# KiCad board DFTBoard.kicad_pcb (continued)
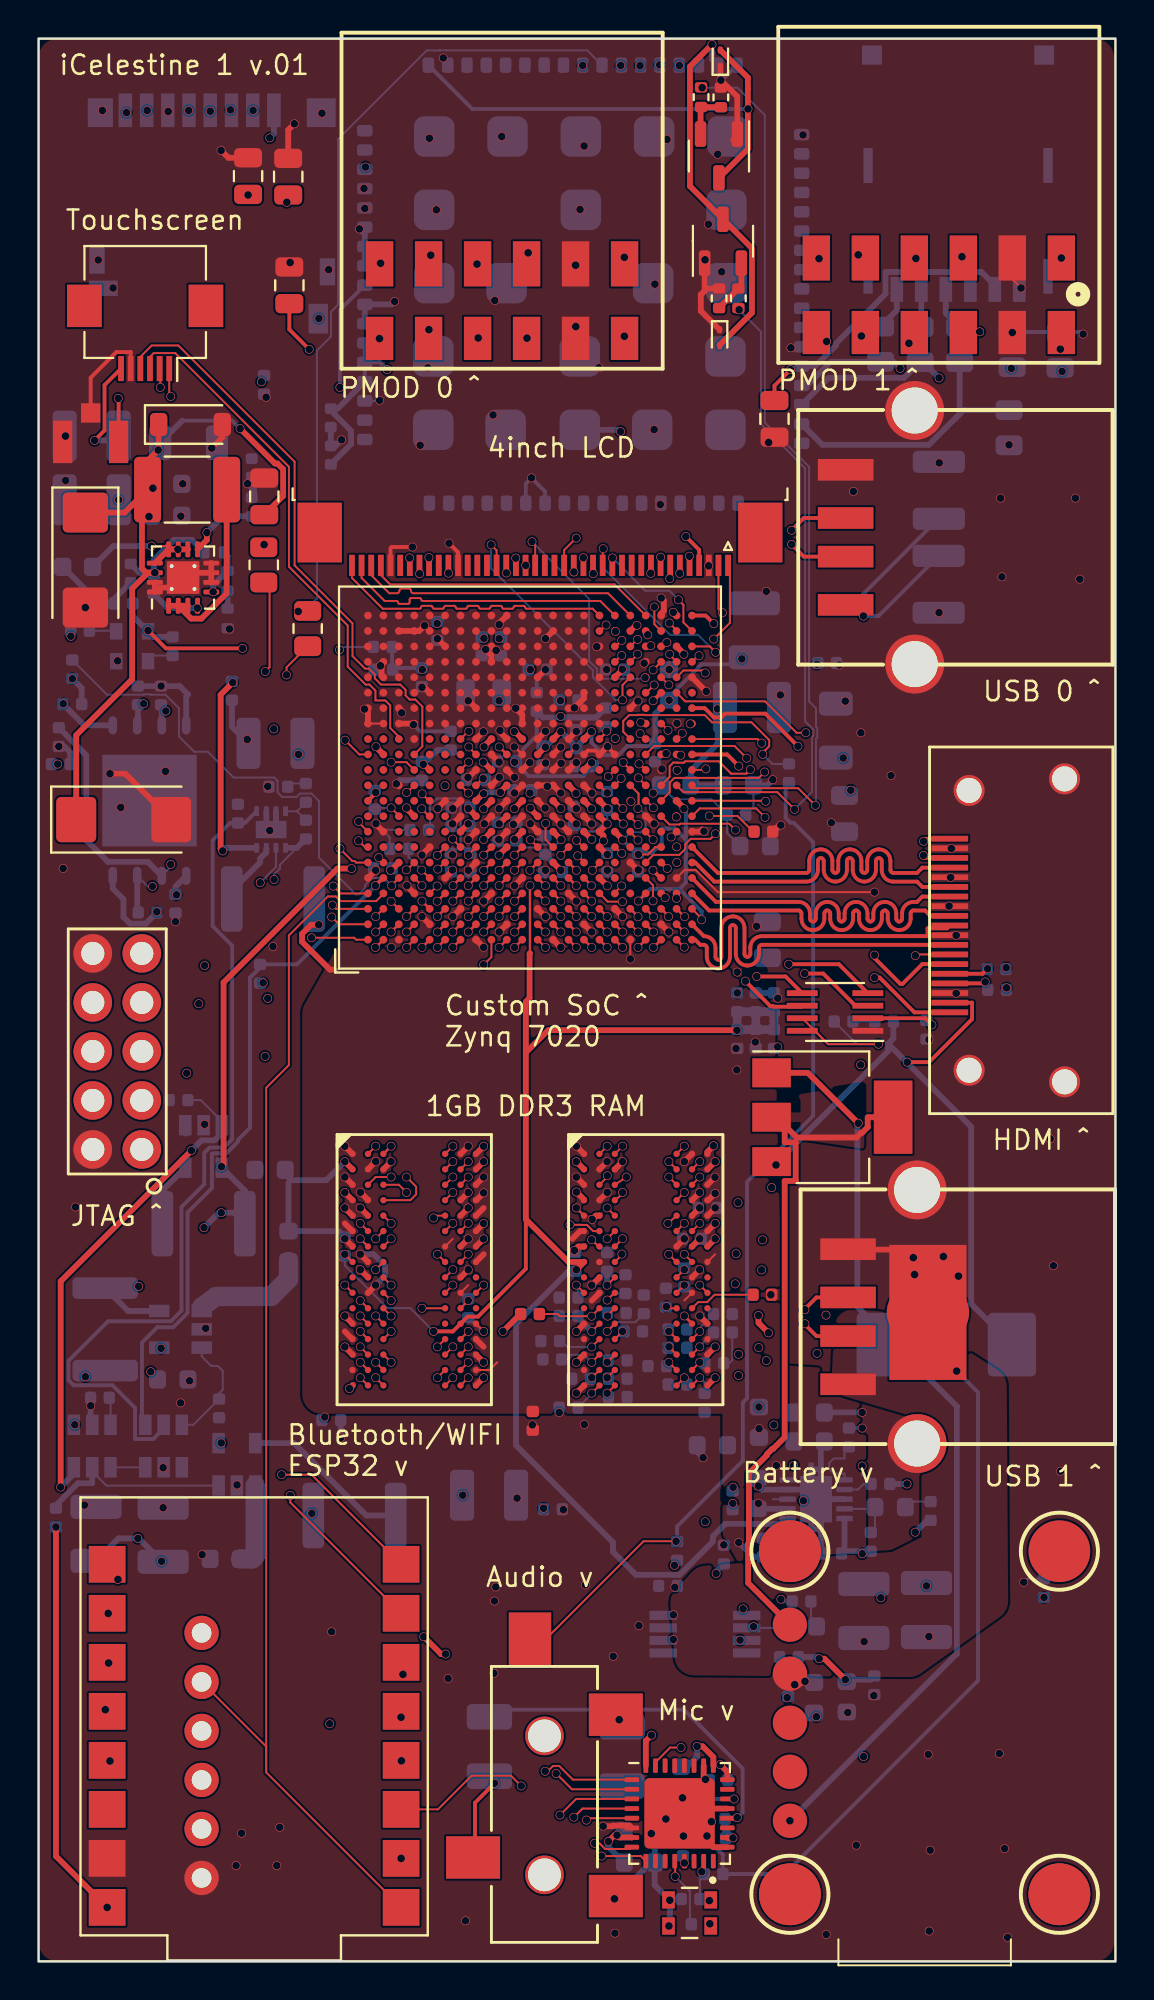
[diagram p0: board, top side]
## Routing (per net, layer and track width the routed paths; a pad name or vN(x,y) marks a point on that pad's centre or on a via; arc(x,y) is an arc through that point) (continued)
PMOD4: length 39.4
  TOP_GND w0.102: 31.47,58.52 v1(31.86,58.13)
  SIGNAL2 w0.102: v1(31.86,58.13) 31.48,58.51 30.19,58.51 29.92,58.79 29.92,59.06 29.64,59.34 29.21,59.34 29.09,59.46 29.09,59.86 28.8,60.15 28.53,60.15 28.3,60.38 28.3,60.65 27.48,61.47 27.48,62.75 27.47,62.77 27.47,63.1 27.48,63.11 27.48,64.7 27.39,64.8 27.39,65.13 27.47,65.21 27.47,65.49 26.87,66.08 26.87,69.01 26.03,69.86 26.03,79.15 26.03,79.19 26.07,79.29 26.14,79.36 26.23,79.39 26.33,79.4 26.42,79.43 26.49,79.5 26.53,79.6 26.53,79.65 26.53,79.75 26.53,79.79 26.49,79.89 26.42,79.96 26.33,79.99 26.28,80 25.33,80 25.28,80 25.19,80.03 25.12,80.08 25.06,80.16 25.03,80.25 25.03,80.3 25.03,80.34 25.06,80.43 25.12,80.51 25.19,80.56 25.28,80.59 25.33,80.6 25.73,80.6 25.78,80.6 25.87,80.63 25.94,80.68 26,80.76 26.03,80.85 26.03,80.9 25.45,81.48 25.41,81.51 25.37,81.6 25.36,81.69 25.37,81.79 25.41,81.87 25.45,81.9 25.73,82.19 25.76,82.22 25.8,82.31 25.82,82.4 25.8,82.49 25.76,82.58 25.73,82.61 25.69,82.64 25.61,82.69 25.52,82.7 25.42,82.69 25.34,82.64 25.3,82.61 24.31,81.62 24.28,81.59 24.2,81.55 24.1,81.53 24.01,81.55 23.92,81.59 23.89,81.62 23.86,81.66 23.81,81.74 23.8,81.83 23.81,81.93 23.86,82.01 23.89,82.05 24.88,83.04 24.91,83.07 24.95,83.15 24.97,83.25 24.95,83.34 24.91,83.43 24.88,83.46 24.85,83.49 24.76,83.53 24.67,83.55 24.57,83.53 24.49,83.49 24.46,83.46 23.85,82.86 23.83,82.84 23.78,82.82 23.72,82.82 23.66,82.84 23.64,82.86 23.43,83.07 23.41,83.09 23.39,83.15 23.39,83.21 23.41,83.26 23.45,83.3 23.47,83.36 23.47,83.42 23.45,83.47 23.43,83.5 v1(22.79,84.14)
PMOD5: length 40.4
  GND1 w0.102: v1(30.71,60.12) 29.86,60.97 29.39,60.97 29.14,61.22 29.14,62.21 28.84,62.52 28.52,62.52 28.26,62.78 28.26,63.09 28.02,63.33 27.74,63.33 27.48,63.59 27.48,63.9 27.25,64.13 26.48,64.13 20.63,69.98 20.63,84.87 arc(20.54,85.08) 20.33,85.17 19.93,85.17 arc(19.72,85.25) 19.63,85.47 arc(19.72,85.68) 19.93,85.77 21.33,85.77 arc(21.54,85.85) 21.63,86.07 arc(21.54,86.28) 21.33,86.37 19.93,86.37 arc(19.72,86.45) 19.63,86.67 arc(19.72,86.88) 19.93,86.97 21.33,86.97 arc(21.54,87.05) 21.63,87.27 arc(21.54,87.48) 21.33,87.57 20.93,87.57 arc(20.72,87.65) 20.63,87.87 20.63,88.13 v1(20.33,88.43)
PMOD6: length 39.7
  TOP_GND w0.102: 30.68,58.52 v1(31.07,58.12)
  SIGNAL2 w0.102: v1(17.73,88.01) 18.07,87.67 18.07,84.11 23.86,78.32 23.86,70.08 25.09,68.85 25.09,65.15 25.88,64.35 25.88,60.83 26.68,60.03 26.68,59.59 26.91,59.36 27.41,59.36 27.48,59.28 27.48,58.79 27.74,58.53 28.03,58.53 28.28,58.28 28.28,57.99 28.51,57.76 28.92,57.76 28.98,57.69 28.98,57.32 29.33,56.97 30.58,56.97 30.7,57.09 30.7,57.74 v1(31.07,58.12)
PMOD7: length 37.8
  TOP_GND w0.102: U20.W11 31.09,61.33 v1(31.09,61.34)
  SIGNAL2 w0.102: v1(31.09,61.34) 30.71,61.72 30.71,62.44 30.29,62.86 30.29,64.31 28.35,66.24 28.35,67.88 28.34,67.89 28.34,68.38 28.35,68.4 28.35,72.3 28.63,72.58 28.63,75.83 29.02,76.22 29.54,76.22 29.6,76.3 29.63,76.39 29.54,76.47 29.54,77.6 29.63,77.68 29.6,77.77 29.54,77.85 29.47,77.9 29.38,77.93 29.33,77.93 28.56,77.93 28.54,77.93 28.5,77.95 28.48,77.99 28.48,78.01 28.48,78.46 28.48,78.48 28.5,78.51 28.54,78.53 28.56,78.53 29.33,78.53 29.38,78.54 29.47,78.57 29.54,78.62 29.6,78.7 29.63,78.79 29.63,78.83 29.63,78.88 29.6,78.97 29.54,79.05 29.47,79.1 29.38,79.13 29.33,79.13 28.56,79.13 28.54,79.13 28.5,79.15 28.48,79.19 28.48,79.21 28.48,79.66 28.48,79.68 28.5,79.71 28.54,79.73 28.56,79.73 29.33,79.73 29.38,79.74 29.47,79.77 29.54,79.82 29.6,79.9 29.63,79.99 29.63,80.03 29.63,80.08 29.6,80.17 29.54,80.25 29.47,80.3 29.38,80.33 29.33,80.33 28.56,80.33 28.54,80.33 28.5,80.35 28.48,80.39 28.48,80.41 28.48,80.86 28.48,80.88 28.5,80.91 28.54,80.93 28.56,80.93 29.33,80.93 29.38,80.94 29.47,80.97 29.54,81.02 29.6,81.1 29.63,81.19 29.63,81.23 29.63,81.28 29.6,81.37 29.54,81.45 29.47,81.5 29.38,81.53 29.33,81.53 28.93,81.53 28.88,81.54 28.79,81.57 28.72,81.62 28.66,81.7 28.63,81.79 28.63,81.83 28.63,82.54 25.38,85.8 v1(25.38,88.55)
PMOD8: length 39.9
  TOP_GND w0.102: 31.5,60.15 v1(31.87,59.79)
  SIGNAL2 w0.102: v1(31.87,59.79) 31.87,59.98 30.59,61.26 30.59,61.49 30.33,61.75 30.07,61.75 29.06,62.76 29.06,65.25 27.35,66.95 27.35,77.12 arc(27.44,77.33) 27.65,77.42 28.05,77.42 arc(28.26,77.5) 28.35,77.72 arc(28.26,77.93) 28.05,78.02 27.65,78.02 arc(27.44,78.1) 27.35,78.32 arc(27.44,78.53) 27.65,78.62 28.05,78.62 arc(28.26,78.7) 28.35,78.92 arc(28.26,79.13) 28.05,79.22 27.65,79.22 arc(27.44,79.3) 27.35,79.52 arc(27.44,79.73) 27.65,79.82 28.05,79.82 arc(28.26,79.9) 28.35,80.12 arc(28.26,80.33) 28.05,80.42 27.65,80.42 arc(27.44,80.5) 27.35,80.72 arc(27.44,80.93) 27.65,81.02 28.05,81.02 arc(28.26,81.1) 28.35,81.32 arc(28.26,81.53) 28.05,81.62 27.65,81.62 arc(27.44,81.7) 27.35,81.92 arc(27.44,82.13) 27.65,82.22 27.95,82.22 arc(28.16,82.3) 28.25,82.52 arc(28.16,82.73) 27.95,82.82 27.65,82.82 arc(27.44,82.9) 27.35,83.12 27.35,83.35 v1(22.73,87.97)
PROGRAM_B: length 0.6
  TOP_GND w0.102: v1(29.48,60.56) 29.47,60.56 U20.T11
PWRKEY: length 117
  TOP_GND w0.102: U20.AB11 34.02,60.8 39.38,60.8 v1(40.27,59.91) ; U14.8 18.81,10.41 v1(18.81,10.4) ; R12.1 34.38,97.13 v1(34.4,97.11)
  SIGNAL2 w0.102: v1(40.27,59.91) 40.48,59.7 40.48,59.03 42.04,57.47 42.04,20.47 29.94,8.37 20.84,8.37 v1(18.81,10.4)
  BOTTOM w0.102: v1(40.27,59.91) 40.3,59.95 40.3,63.36 40.37,63.43 40.37,63.92 40.3,63.99 40.3,64.94 39.95,65.3 39.95,77.46 37.65,79.76 37.65,95.69 36.23,97.11 v1(34.4,97.11)
RST: length 15.1
  TOP_GND w0.102: 17.75,72.35 17.75,71.84 18.22,71.37 29.86,71.37 U20.W22
SCL: length 15
  TOP_GND w0.102: U20.U22 29.12,70.51 19.91,70.51 arc(19.86,70.53) 19.84,70.58 arc(19.81,70.63) 19.76,70.66 19.31,70.66 arc(19.26,70.63) 19.23,70.58 19.23,70.43 arc(19.21,70.38) 19.16,70.36 18.71,70.36 arc(18.66,70.38) 18.64,70.43 arc(18.61,70.48) 18.56,70.51 17.94,70.51 16.75,71.7 16.75,72.35
SD_CD: length 25.7
  TOP_GND w0.102: v1(15.89,63.29) 16.63,62.55 U20.A13
  SIGNAL1 w0.3: v1(15.6,67.98) 14.53,69.05 v1(14.53,85.15)
  SIGNAL2 w0.102: v1(15.6,67.98) 15.6,63.58 v1(15.89,63.29)
  BOTTOM w0.102: R99.2 15.75,68.13 v1(15.6,67.98)
SD_CLK: length 44.9
  TOP_GND w0.102: v1(19.06,56.57) 19.09,56.57 U20.D6
  SIGNAL2 w0.102: v1(19.06,56.57) 19.06,56.63 17.12,58.57 16.55,58.57 15.21,59.91 15.21,81.7 7.78,89.13 v1(7.78,95.93)
SD_CMD: length 44.8
  TOP_GND w0.102: 20.25,59.35 v1(19.86,59.74)
  SIGNAL1 w0.102: v1(19.86,59.74) 20.56,60.44 20.56,62.36 19.42,63.51 18.74,63.51 18.26,63.99 18.26,64.51 13.97,68.8 13.97,82.51 9.95,86.53 9.95,91.85 arc(10.04,92.06) 10.25,92.15 10.65,92.15 arc(10.86,92.23) 10.95,92.45 arc(10.86,92.66) 10.65,92.75 10.25,92.75 arc(10.04,92.83) 9.95,93.05 9.95,93.29 arc(10.04,93.5) 10.25,93.59 10.65,93.59 arc(10.86,93.67) 10.95,93.89 arc(10.86,94.1) 10.65,94.19 10.25,94.19 arc(10.04,94.27) 9.95,94.49 v1(9.95,95.96)
SD_D0: length 44.5
  TOP_GND w0.102: U20.A7 16.92,57.75 v1(16.59,58.08)
  SIGNAL2 w0.102: v1(16.59,58.08) 14.77,59.9 14.77,81.32 5.63,90.46 5.63,94.09 arc(5.72,94.3) 5.93,94.39 6.33,94.39 arc(6.54,94.47) 6.63,94.69 arc(6.54,94.9) 6.33,94.99 5.93,94.99 arc(5.72,95.07) 5.63,95.29 v1(5.63,95.93)
SD_D1: length 44.8
  TOP_GND w0.102: 20.24,60.15 v1(19.88,60.51)
  SIGNAL1 w0.102: v1(19.88,60.51) 20.33,60.95 20.33,62.22 19.26,63.3 17.94,63.3 16.5,64.74 16.5,64.83 4.56,76.77 4.56,93.07 arc(4.65,93.28) 4.86,93.37 5.26,93.37 arc(5.47,93.45) 5.56,93.67 arc(5.47,93.88) 5.26,93.97 4.86,93.97 arc(4.65,94.05) 4.56,94.27 v1(4.56,95.82)
SD_D2: length 44.6
  TOP_GND w0.102: U20.A8 16.59,59.03 v1(16.59,59.08)
  SIGNAL2 w0.102: v1(11.98,94.51) 11.98,93.19 arc(12.2,93.1) 12.41,93.19 12.69,93.47 arc(12.9,93.56) 13.12,93.47 arc(13.2,93.26) 13.12,93.05 12.13,92.06 arc(12.04,91.85) 12.13,91.63 arc(12.34,91.55) 12.55,91.63 13.54,92.62 arc(13.75,92.71) 13.96,92.62 arc(14.05,92.41) 13.96,92.2 13.68,91.92 arc(13.59,91.71) 13.68,91.49 16.5,88.68 16.5,59.17 v1(16.59,59.08)
  BOTTOM w0.3: v1(11.98,94.51) 12.2,94.72 J8.1
SD_D3: length 44.5
  SIGNAL2 w0.102: v1(21.07,60.94) 20.27,60.94 17.28,63.92 17.28,89.76 14.76,92.29 arc(14.7,92.31) 14.65,92.29 arc(14.6,92.27) 14.54,92.29 14.23,92.61 arc(14.2,92.66) 14.23,92.71 14.77,93.26 arc(14.86,93.47) 14.77,93.69 arc(14.56,93.77) 14.35,93.69 13.8,93.14 arc(13.75,93.12) 13.7,93.14 13.38,93.46 arc(13.36,93.51) 13.38,93.56 13.93,94.11 arc(14.01,94.32) 13.93,94.53 arc(13.71,94.62) 13.5,94.53 12.72,93.76 arc(12.51,93.67) 12.3,93.76 arc(12.21,93.97) 12.3,94.18 12.37,94.25 arc(12.46,94.46) 12.37,94.68 v1(11.12,95.93)
SDA: length 15.1
  TOP_GND w0.102: U20.T22 28.72,70.1 25.3,70.1 arc(25.25,70.12) 25.23,70.18 arc(25.2,70.23) 25.15,70.25 24.7,70.25 arc(24.65,70.23) 24.62,70.18 arc(24.6,70.12) 24.55,70.1 24.1,70.1 arc(24.05,70.12) 24.03,70.18 arc(24,70.23) 23.95,70.25 23.5,70.25 arc(23.45,70.23) 23.43,70.18 arc(23.4,70.12) 23.35,70.1 22.9,70.1 arc(22.85,70.12) 22.83,70.18 arc(22.8,70.23) 22.75,70.25 22.3,70.25 arc(22.25,70.23) 22.23,70.18 arc(22.2,70.12) 22.15,70.1 21.7,70.1 arc(21.65,70.12) 21.62,70.18 arc(21.6,70.23) 21.55,70.25 21.1,70.25 arc(21.05,70.23) 21.03,70.18 arc(21,70.12) 20.95,70.1 20.5,70.1 arc(20.45,70.12) 20.43,70.18 arc(20.4,70.23) 20.35,70.25 19.9,70.25 arc(19.85,70.23) 19.83,70.18 arc(19.8,70.12) 19.75,70.1 17.84,70.1 16.25,71.7 16.25,72.35
T_INT: length 28.4
  TOP_GND w0.102: v1(6.31,81.58) 6.31,82.52 ; v1(19.08,60.59) 19.11,60.59 U20.D11
  GND0 w0.102: v1(19.08,60.59) 18.04,60.59 14.26,64.36 14.26,72.55 6.31,80.5 v1(6.31,81.58)
T_RST: length 26.5
  TOP_GND w0.102: v1(6.85,81.11) 6.78,81.18 J4.1 ; v1(18.28,62.15) 19.08,62.15 U20.D12
  GND0 w0.102: v1(18.28,62.15) 18.28,62.72 15.12,65.87 15.12,72.84 6.86,81.11 v1(6.85,81.11)
T_SCL: length 27.3
  TOP_GND w0.102: 18.8,63.35 18.23,63.92 18.23,65.1 17.97,65.35 17.46,65.35 17.46,65.86 17.15,66.18 16.95,66.18 16.03,67.1 16.03,69.23 12.98,72.28 12.98,77.46 7.08,83.35 5.97,83.35 5.78,83.16 J4.3
T_SDA: length 29.7
  TOP_GND w0.102: U20.D13 19.89,62.97 19.89,65.03 19.53,65.4 19.23,65.4 19.03,65.6 19.03,65.9 18.75,66.18 17.75,66.18 17.43,66.5 17.43,66.7 17.13,67 16.93,67 16.28,67.65 16.28,69.34 13.27,72.35 13.27,77.72 7.25,83.75 5.87,83.75 5.27,83.16
TLV_RST#: length 66.4
  TOP_GND w0.102: 31.98,10.32 32.74,11.08 v1(33.31,11.08) ; U20.W13 31.91,62.99 33.45,62.99 33.45,62.99 36.08,62.99 v1(36.71,62.36)
  SIGNAL2 w0.102: v1(33.31,11.08) 33.31,11.29 42.3,20.29 42.3,29.77 43.01,30.48 43.01,46.88 42.69,47.21 42.69,58.39 38.91,62.17 36.9,62.17 v1(36.71,62.36)
UART33_RX: length 69.9
  TOP_GND w0.102: U20.G7 21.47,58.16 v1(21.47,58.17)
  SIGNAL2 w0.102: 10.33,13.8 10.33,17.17 9.08,18.43 9.08,50.34 11.63,52.89 11.63,52.9 16.33,57.6 17.8,57.6 18.2,57.2 18.2,57.19 18.64,56.74 18.64,56.43 18.91,56.16 20.03,56.16 20.27,56.41 20.27,57.48 20.96,58.17 v1(21.47,58.17) ; 10.33,13.8 v1(18.8,5.34) ; 10.33,13.8 10.31,13.8 U17.4
UART33_TX: length 65.7
  TOP_GND w0.102: 11.8,9.88 11.8,9.8 U14.5 ; 11.8,9.88 11.8,45.28 12.98,46.45 12.98,53.17 15,55.2 15.41,55.2 15.66,54.95 17.5,54.95 17.88,55.33 ; 11.8,9.88 11.8,11.14 U17.5
USBH_CPEN: length 57.1
  TOP_GND w0.102: v1(39.77,63.67) 39.3,63.67 37.67,65.3 33.52,65.3 U20.AA17
  GND1 w0.102: v1(39.77,63.67) 39.51,63.67 38.78,62.94 38.78,59.29 38.94,59.12 38.94,53.88 41.65,51.17 41.65,45.24 41.53,45.12 41.53,22.79 37.02,18.27 v1(36.52,18.27)
USBH_D_N: length 33
  TOP_GND w0.2: v1(32.79,58.27) 32.8,58.27 U20.AA8 ; v1(39.73,33.05) 39.73,33.01 40.32,32.41 J6.2
  GND1 w0.2: v1(39.73,33.05) 39.5,33.27 39.5,33.38 39.29,33.59 39.29,33.96 39.5,34.17 39.5,49.07 41.03,50.6 41.03,50.91 33.66,58.27 v1(32.79,58.27)
USBH_D_N1: length 11
  TOP_GND w0.2: U20.AB22 34.58,69.75 v1(35.01,69.33) ; J2.2 39.67,72.8 v1(39.04,73.44)
  SIGNAL1 w0.2: v1(35.01,69.33) 35.01,70.88 37.56,73.44 v1(39.04,73.44)
USBH_D_P: length 33.2
  TOP_GND w0.2: v1(39.73,33.78) 39.73,33.81 40.32,34.41 J6.3
  GND1 w0.2: v1(33.06,59.31) 33.13,59.31 41.4,51.04 41.4,50.34 40.03,48.96 40.03,47.27 40.62,46.68 40.7,46.68 40.76,46.6 40.79,46.51 40.79,46.47 40.79,46.42 40.76,46.33 40.7,46.25 40.62,46.2 40.53,46.17 40.49,46.17 40.24,46.17 40.19,46.16 40.1,46.13 40.03,46.08 39.97,46 39.94,45.91 39.94,45.87 39.94,33.99 v1(39.73,33.78)
USBH_D_P1: length 11.2
  TOP_GND w0.2: v1(32.9,69.92) 32.95,69.92 33.08,69.8 ; J2.3 39.67,74.8 v1(39.04,74.17)
  SIGNAL1 w0.2: v1(39.04,74.17) 37.49,74.17 33.24,69.92 v1(32.9,69.92)
USBH_FAULT: length 58
  TOP_GND w0.2: U20.AB16 34.53,64.95 35.02,64.47 35.38,64.47 35.58,64.67 37.68,64.67 v1(39.37,62.98)
  GND1 w0.2: v1(37.06,17.35) 37.83,17.35 41.79,21.31 41.79,45.01 42.04,45.27 42.04,51.14 41.79,51.4 41.79,51.76 42.04,52.02 42.09,52.02 42.09,60.09 41.67,60.52 41.67,60.7 39.39,62.98 v1(39.37,62.98)
  BOTTOM w0.102: 38.68,17.29 U11.2
USBH_VBUS:
  vias: v1(32.91,17.96) v1(32.9,16.68) v1(42.8,16.57) v1(46.16,16.84)
VMODE0: length 22.5
  TOP_GND w0.102: U20.D5 v1(19.87,55.75)
  GND0 w0.102: v1(19.87,55.75) 19.35,55.23 16.23,55.23 16.08,55.38 15.49,55.38 15.44,55.34 15.12,55.34 14.97,55.48 7.56,55.48 v1(0.99,62.05)
VMODE1: length 2
  TOP_GND w0.102: 20.27,56.15 19.86,56.56 v1(19.86,56.56)
  BOTTOM w0.102: R97.1 19.18,57.24 v1(19.86,56.56)
VS: length 11.6
  SIGNAL1 w0.102: v1(19.75,71.92) 21.79,69.88 29.35,69.88 29.36,69.89 29.9,69.34 v1(29.9,68.93)
ZYNQ_POR: length 55.4
  TOP_GND w0.102: v1(17.46,55.75) 17.46,55.76 17.84,56.15
  TOP_GND w0.2: 17.86,56.15 v1(17.46,55.75)
  BOTTOM w0.102: 6.15,32.87 5.4,32.12 5.4,28 ; 7.77,38.86 9.03,40.12 9.03,41.82 9.13,41.93 9.71,41.93 11.01,43.22 11.01,50.97 11.48,51.44
  BOTTOM w0.2: 11.48,51.51 10.96,50.99 10.96,43.2 10.34,42.57 10.34,42.48 9.72,41.87 8.98,41.87 8.98,40.07 7.72,38.82 7.72,33.61 6.98,32.87 6.15,32.87 5.36,32.07 5.36,27.98 ; v1(17.46,55.75) 17.46,55.73 13.4,51.67 R5.2
Net-(#FLG0102-pwr): length 8.8
  TOP_GND w0.102: 40.83,47.64 40.24,48.23 U21.8 ; 40.83,47.64 U21.7 ; 40.83,47.64 40.94,47.53 v1(43.55,47.53)
  BOTTOM w0.102: R34.1 42.42,47.53 v1(43.55,47.53)
Net-(AE1-A): length 20.4
  TOP_GND w0.2: v1(4.13,81.01) 4.15,80.99 AE1.1
  GND1 w0.2: v1(4.13,81.01) 5.43,82.31 14.84,82.31 15.57,81.58 v1(15.62,81.58)
  BOTTOM w0.2: U13.60 15.62,85.59 v1(15.62,81.58)
Net-(D7-K): length 2.6
  BOTTOM w0.102: U8.9 43.27,23.45 ; D7.1 43.36,22.44
Net-(D8-A2): length 26.4
  TOP_GND w0.2: v1(36.78,96) 36.77,96.01 36.77,97.08
  TOP_GND w0.3: D8.2 36.77,97.63 36.77,93.93 Q2.3
  BOTTOM w0.2: U13.1 22.48,96 v1(36.78,96)
Net-(D9-A2): length 19.3
  TOP_GND w0.3: 35.31,83.77 36.98,85.44 36.98,88.79 Q4.3 33.77,92 33.77,98.2 v1(34.91,99.35)
  BOTTOM w0.3: v1(34.91,99.35) 34.91,98.58 U13.16
Net-(L5-Pad1): length 9.7
  TOP_GND w0.3: L5.1 9.75,70.9 8.44,69.59 7.9,69.59 U6.2 ; U6.3 U6.1
Net-(Q1-D): length 36.9
  TOP_GND w0.3: Q1.2 43,43.75 42.98,43.73 42.98,43.23 42.7,42.95 42.65,42.95 42.4,42.7 39.3,42.7 38.25,43.75 Q1.2 38.68,43.07 38.68,42.45 39.25,42.45 39.25,40.45 38.68,40.45 38.68,27.16 38.08,26.57 38.04,26.57 37.75,26.28 37.75,26.23 36.83,25.3 36.83,21.68 36.79,21.64 36.79,19.61 U12.5
Net-(Q1-G): length 47.5
  TOP_GND w0.3: v1(42.49,43.44) 39.88,46.05 Q1.1
  BOTTOM w0.3: v1(42.49,43.44) 42.45,43.39 42.45,33.92 47.61,28.76 47.61,15.94 v1(38.95,7.29)
  vias: v1(42.77,10.62)
Net-(Q2-B): length 2.4
  TOP_GND w0.3: R16.1 34.36,96.1 ; Q2.2 34.32,96.08
Net-(Q4-B): length 2.8
  TOP_GND w0.3: Q4.2 36.43,86.85 R14.2 35.28,85.7
Net-(R7-Pad2): length 0.8
  BOTTOM w0.102: R7.2 13.08,61.05
Net-(R27-Pad2): length 0.9
  BOTTOM w0.3: R27.2 R29.1
Net-(R34-Pad2): length 1.1
  BOTTOM w0.102: R81.1 R34.2
Net-(U1-EN): length 1.3
  BOTTOM w0.102: U1.3 3.73,29.15
Net-(U1-FLAG3): length 1.8
  BOTTOM w0.102: U1.4 U2.3
Net-(U5-FB): length 1.9
  BOTTOM w0.102: 13.39,59.61 R6.1 ; 13.39,59.61 R7.1 ; 13.39,59.61 U5.4
Net-(U5-SW): length 3
  BOTTOM w0.3: 10.02,55.49 11.48,56.95 11.48,57 11.49,57.01 11.49,57.16 11.78,57.45 11.78,57.45 11.81,57.47 U5.7
Net-(U6-FB): length 2.5
  TOP_GND w0.3: v1(9.05,70.98) 8.96,70.98 U6.5
  BOTTOM w0.3: v1(9.05,70.98) 9.05,71.31 R27.1 9.8,72.84 R24.1
Net-(U6-PG): length 2.7
  TOP_GND w0.3: U6.4 8.24,70.15 v1(8.23,70.13)
  BOTTOM w0.3: v1(8.23,70.13) 6.71,70.13 R23.1
Net-(U6-SS/TR): length 3.7
  TOP_GND w0.3: v1(8.73,74.05) 8.73,73.67 U6.9
  BOTTOM w0.3: C37.2 9.57,74.9 v1(8.73,74.05)
Net-(U8-REFOUT): length 2.8
  BOTTOM w0.102: 41.78,26.44 41.78,26.07 41.22,26.07 40.99,25.84 40.99,25.51 41.22,25.28 41.78,25.28 U8.6
Net-(U9-MIC1RM/LINE1RM): length 0.4
  BOTTOM w0.102: v1(33.47,5.1) 33.4,5.18 C45.2
Net-(U13-RXD): length 41.4
  BOTTOM w0.102: v1(13.46,69.97) 13.76,69.97 14.43,70.63 14.43,83.48 15.15,84.21 15.15,85.48 15.53,85.85 15.53,94.44 20.12,99.04 20.81,99.04 20.81,99.04 21.14,99.04 21.14,99.04 28.45,99.04 U13.10
Net-(U13-TXD): length 49.3
  SIGNAL2 w0.102: v1(28.21,98.26) 7.25,98.26 5.24,96.24 5.24,79.88 v1(11.69,73.43)
Net-(U18-OE): length 1.4
  BOTTOM w0.102: U18.1 5.97,67.67 R98.1
Net-(U20F-PS_CLK_500): length 25.7
  TOP_GND w0.102: U20.F7 20.67,57.35 v1(20.67,57.33)
  GND0 w0.102: v1(20.67,57.33) 20.25,56.9 20.25,56.39 20.02,56.16 17.31,56.16 16.19,57.27 15.3,57.27 12.76,59.81 10.26,59.81 1.68,68.39 v1(1.68,68.68)
Net-(U20G-PS_SRST_B_501): length 1.3
  TOP_GND w0.102: v1(18.27,59.78) 18.28,59.78 18.68,59.39
  BOTTOM w0.102: 17.5,59.79 18.27,59.79 v1(18.27,59.78)
Net-(U20H-PS_DDR_VRN_502): length 1.1
  TOP_GND w0.102: v1(25.5,58.13) 25.5,58.12 U20.M7
  BOTTOM w0.102: 26.09,58.15 25.53,58.15 v1(25.5,58.13)
Net-(U20H-PS_DDR_VRP_502): length 13.9
  TOP_GND w0.102: v1(26.28,58.97) 26.28,58.14 U20.N7 ; R76.1 37.05,58.55 36.23,59.36 v1(34.78,59.36)
  SIGNAL1 w0.102: 30.6,59.34 31.01,59.34 ; 30.6,59.34 31.98,59.34 32.27,59.63 32.27,59.9 32.53,60.16 33.98,60.16 v1(34.78,59.36) ; 30.6,59.34 26.65,59.34 v1(26.28,58.97)

## Copper pours and planes (outline as drawn; the poured copper is in the pictures)
+1V0 on BOTTOM: 22.71,64.14 25.06,64.12 24.27,63.19 24.32,62.54 23.49,62.6 23.57,60.75 22.53,60.82
+1V8 on BOTTOM: 36.78,57.09 31.08,57.09 31.08,65.59 36.78,65.59
+1V8 on BOTTOM: 31.12,61.35 27.18,60.35 27.32,58.31 31.05,58.46
+1V8 on SIGNAL1: 26.62,60.53 20.38,60.48 22.65,59.43 26.65,57.83
+1V8 on SIGNAL2: 56.98,66.47 55.76,-11.55 -2.24,-11.55 -1.02,66.47
+1V35 on TOP_GND: 35.45,31.1 42.9,30.62 42.9,21.12 41.3,19.62 36.42,20.4 35.45,22.1
+1V35 on TOP_GND: 38.67,28.38 13.67,28.38 13.67,49.38 17.67,56.38 32.12,56.08 38.12,51.08
+1V35 on BOTTOM: 40.3,40.15 16.7,40.05 12.75,51.86 10.51,54.29 14.12,58.08 13.95,64.83 28.7,58.45 28.7,57.05 32.2,57.05 40.3,52.15
+1V35 on BOTTOM: 38.77,39.48 15.17,39.38 15.17,47.38 19.74,54.38 21.67,56.38 21.67,57.78 27.17,57.78 27.17,56.38 30.67,56.38 38.77,51.48
+3V3 on SIGNAL1: 55.76,105.45 55.76,-11.55 -2.24,-11.55 -2.24,105.45
+5V on BOTTOM: -2.24,105.45 -2.24,-11.55 55.76,-11.55 55.76,105.45
/Power/1V8TOLX on BOTTOM: 38.68,57.54 36.78,57.54 36.78,62.64 38.68,62.64
/Power/VCCAUX on SIGNAL2: 15.77,61.78 21.47,61.78 23.07,60.28 27.27,60.31 27.27,59.31 15.77,59.28
GND on TOP_GND: -2.24,-11.55 -2.24,105.45 55.76,105.45 55.76,-11.55
GND on GND0: 55.76,-11.55 -2.24,-11.55 -2.24,105.45 55.76,105.45
GND on GND1: 55.76,-11.56 -2.24,-11.55 -2.24,105.44 55.76,105.44
GND on SIGNAL2: 56.98,66.47 57.21,103.5 -2.2,102.33 -1.02,66.47
DDR3_VTT on BOTTOM: 48.5,27.05 48.5,39.05 25.5,39.05 25.5,27.05
DDR3_VTT on BOTTOM: 24.16,38.21 47.38,38.21 47.88,18.61 36.33,19.26 35.83,26.99 24.18,27.26
USBH_VBUS on TOP_GND: 41.29,33.88 45.19,33.56 50.19,30.36 50.27,18.16 45.47,14.73 33.04,14.83 32.72,18.93 34.14,20.48 44.24,21.22 45.77,21.98 45.77,28.11 41.08,29.49
Net-(Q1-D) on TOP_GND: 36.97,44.53 45.35,45.93 45.4,41.73 36.97,42.98

## Text on the board
B.Silkscreen: SD ^ | 4G comm & calling ^ | Github: /SunnyYoshimitsu/CelestiCall / Dual core ARM Cortex A9 / 1GB RAM / 32MB ROM / 4G comm., WiFi 4, BLE 5 | FTDI-UART v | nano SIM v
F.Silkscreen: iCelestine 1 v.01 | Touchscreen | JTAG ^ | Bluetooth/WIFI / ESP32 v | PMOD 0 ^ | 1GB DDR3 RAM | Custom SoC ^ / Zynq 7020 | Audio v | 4inch LCD | Mic v | Battery v | PMOD 1 ^ | USB 0 ^ | USB 1 ^ | HDMI ^
